# Altium PCB 24V-12V_5X4.PcbDoc (part 1 of 4)
Units mm, origin at the board's own origin, x right, y up, seen from the top; angles counter-clockwise.
Board outline 50.6 x 38 mm, 2 copper layers (Top Layer, Bottom Layer); 700 components, 0 nets, 2336 pads, 480 vias.
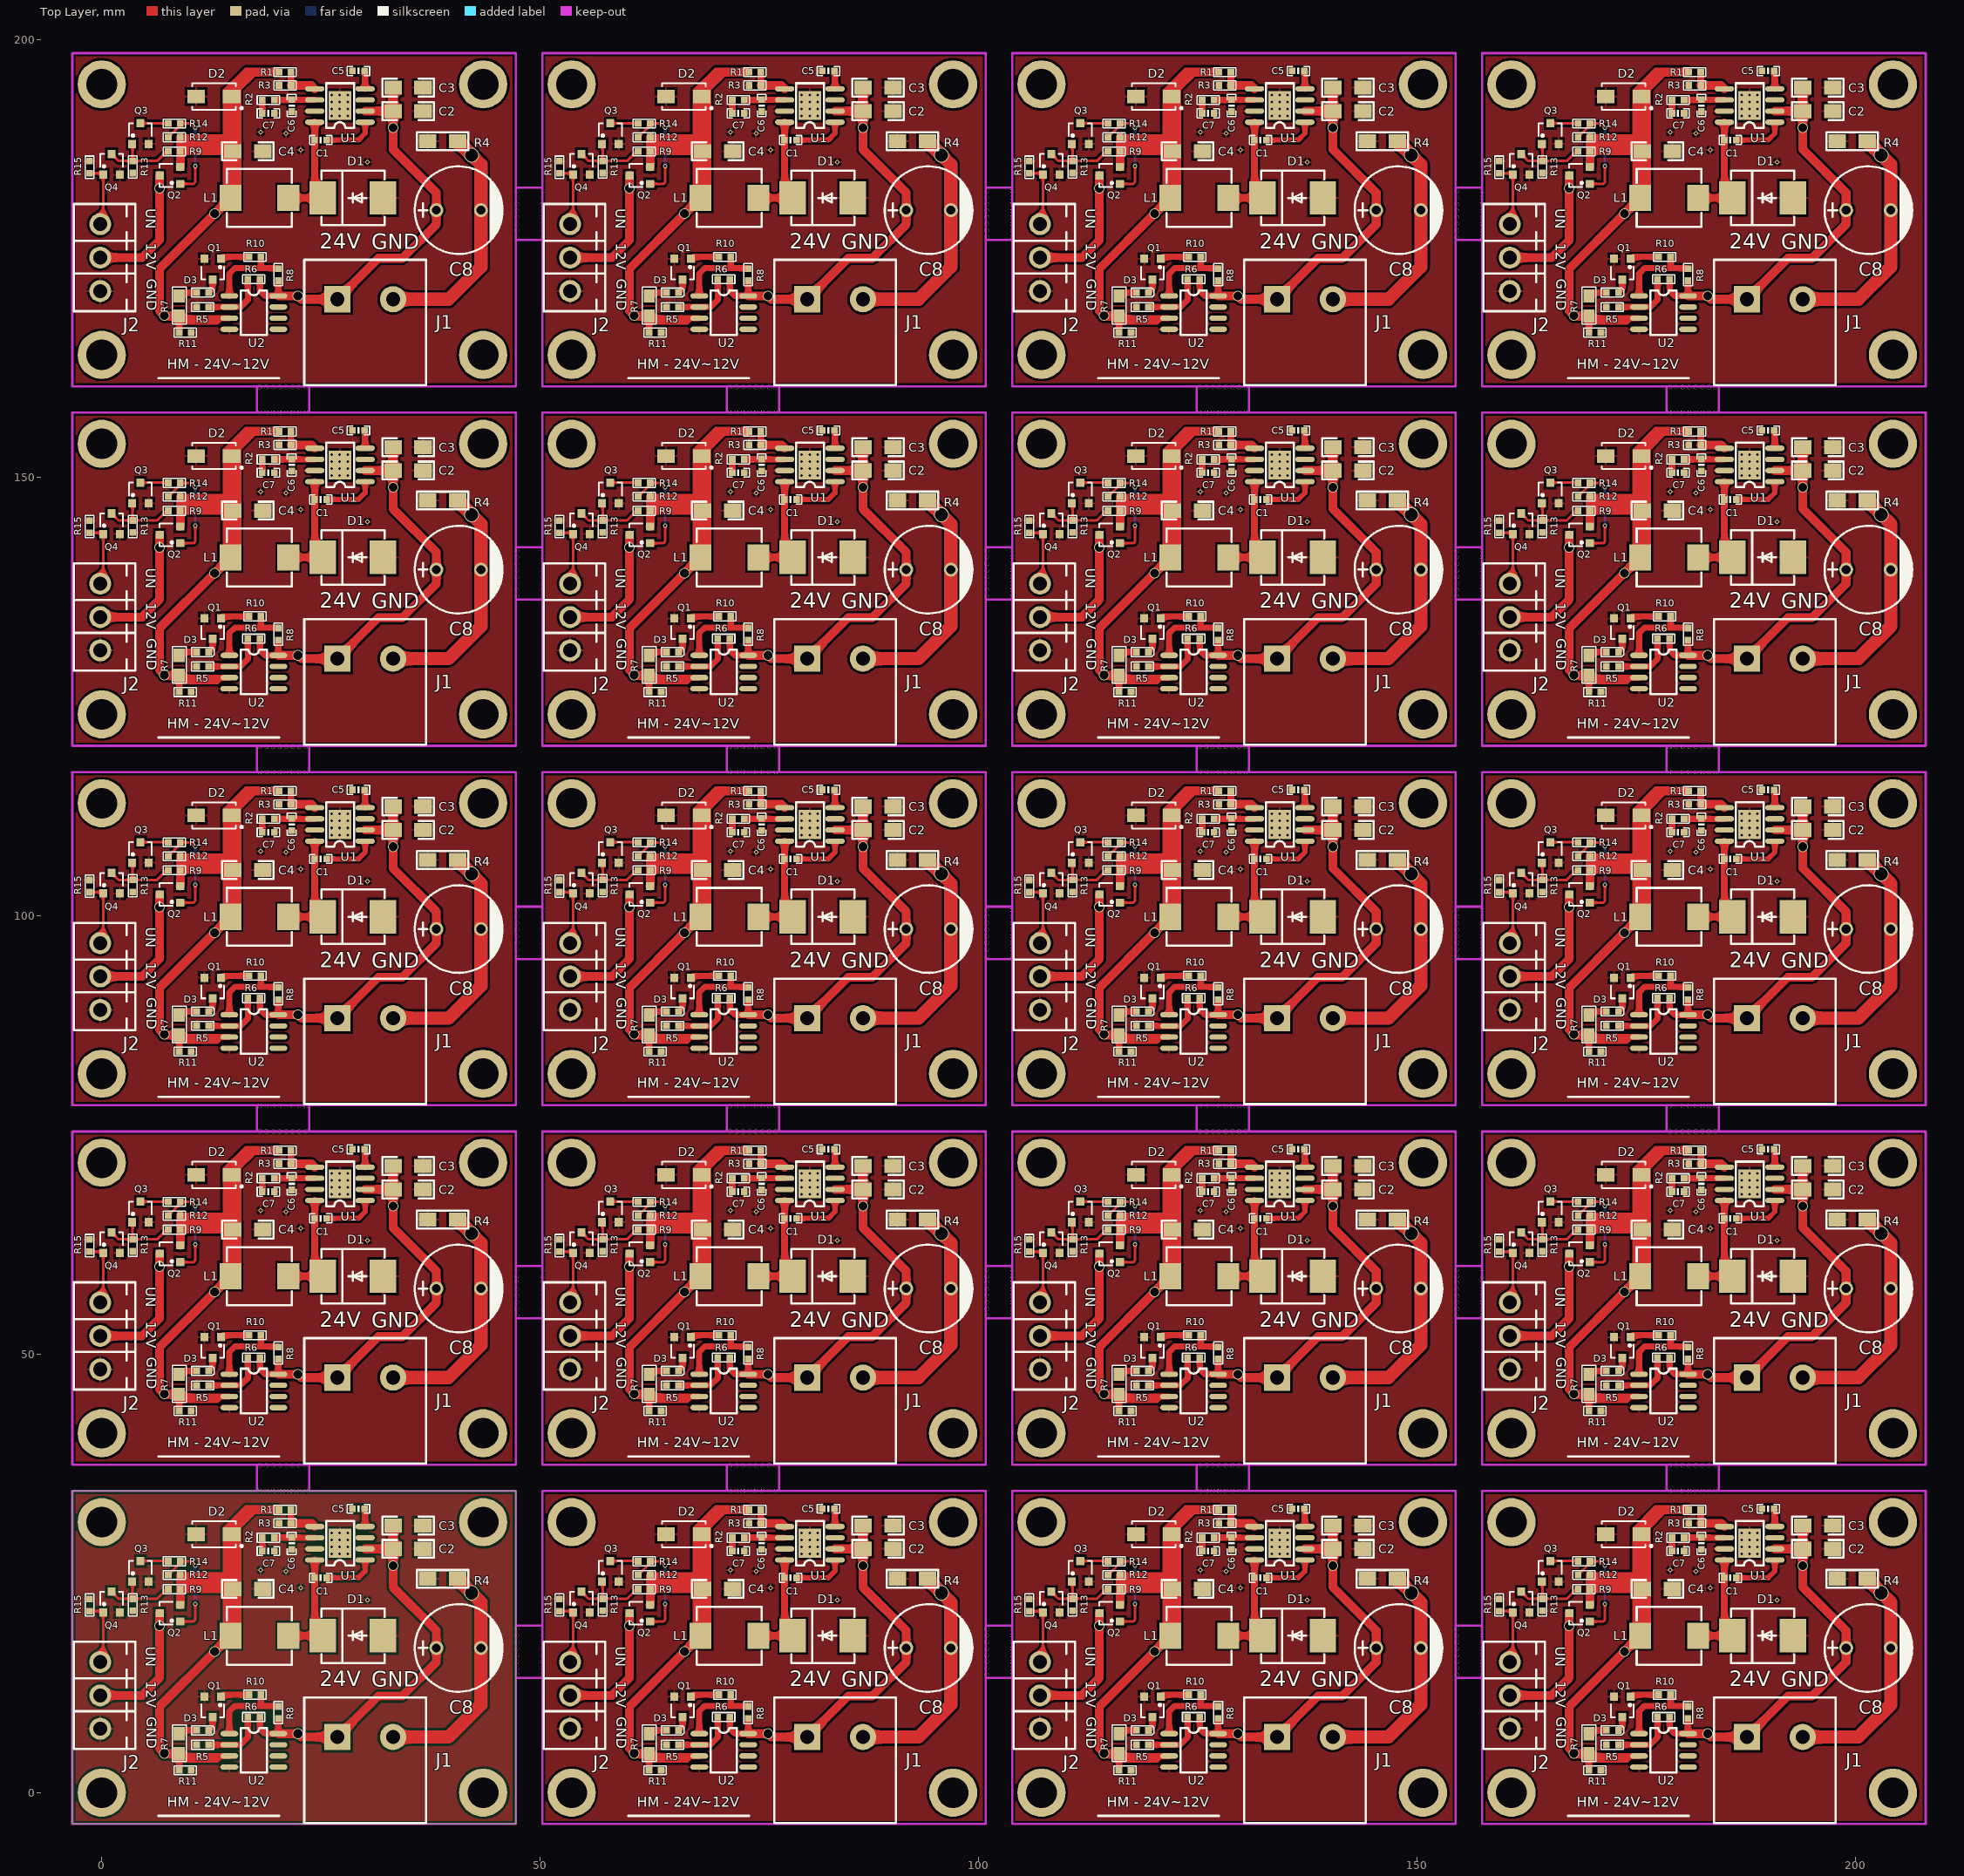
[diagram p0: Top Layer view]
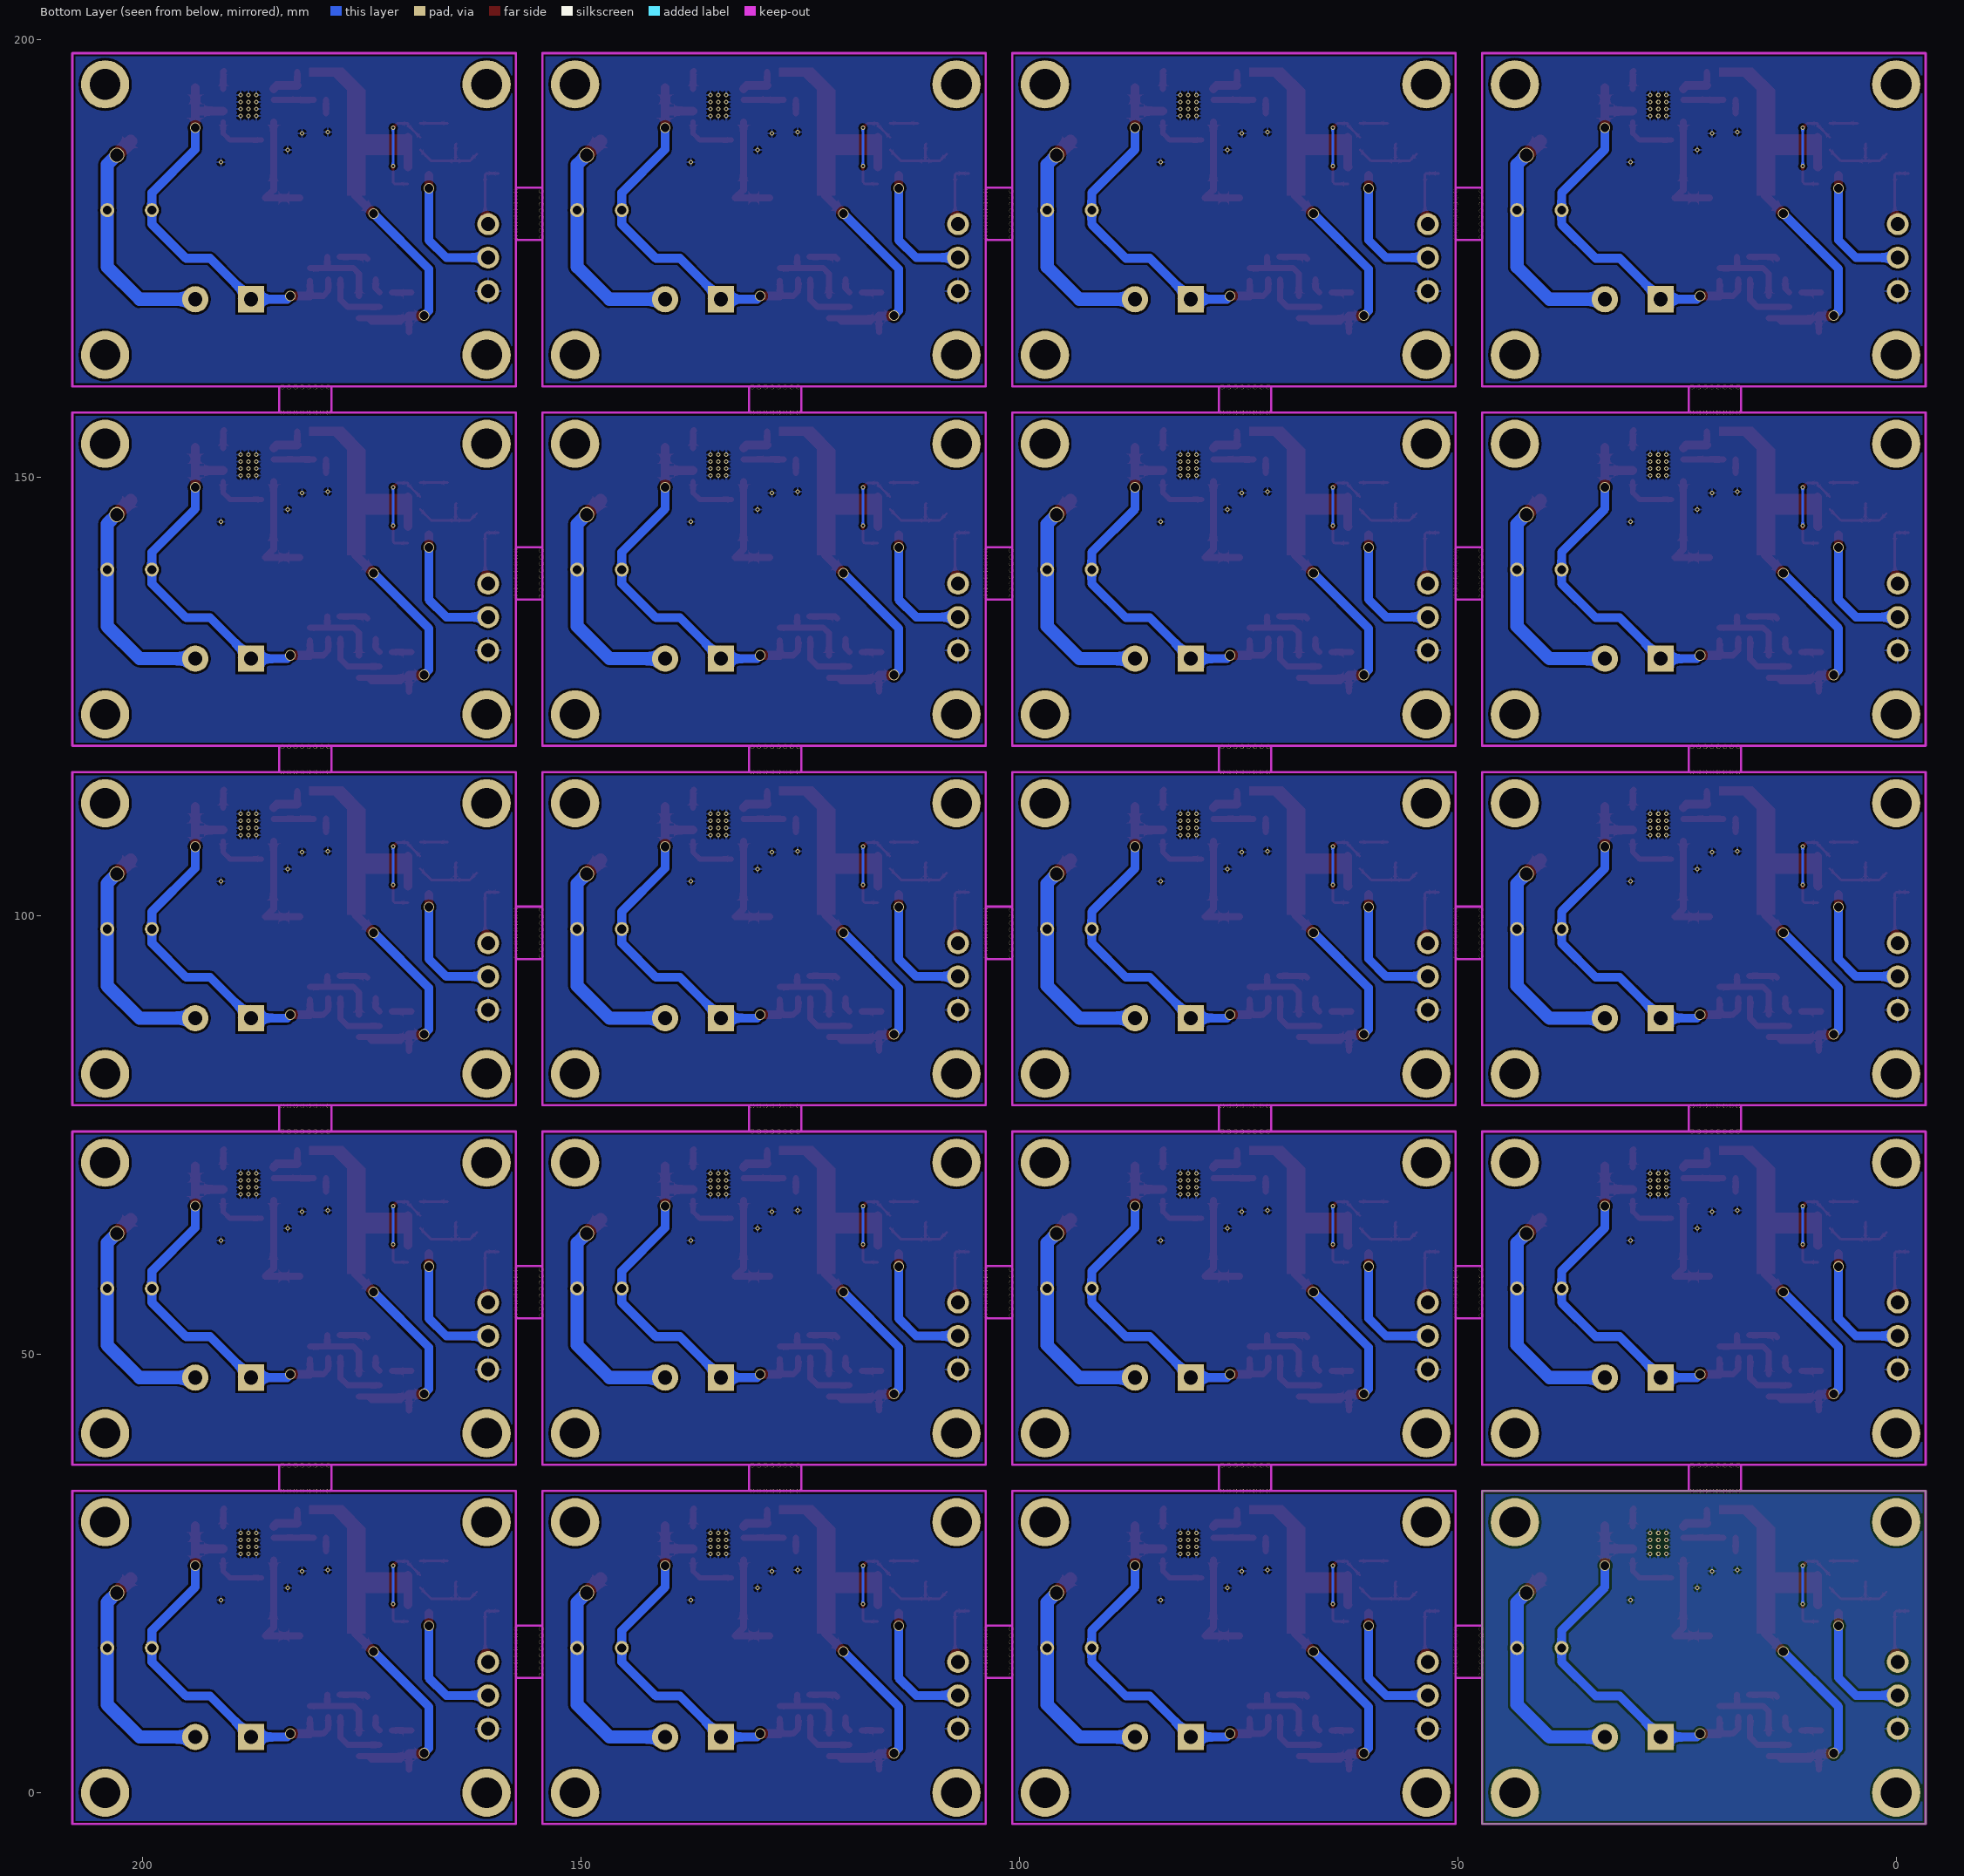
[diagram p1: Bottom Layer view, seen from below]

## Layer stack, top to bottom
Top Solder: solder mask 0.0102, Solder Resist, Dk 3.5
Top Layer: signal copper 0.0356
Dielectric 1: dielectric 0.32, FR-4, Dk 4.8
Bottom Layer: signal copper 0.0356
Bottom Solder: solder mask 0.0102, Solder Resist, Dk 3.5

## Board outline
-3.353,-3.583 -3.353,34.417 47.247,34.417 47.247,-3.583

## Design rules (kind name [scope] priority, off if disabled: settings)
Clearance [All] p1: gap=0.254
PolygonConnect [All] p1: connectstyle=Relief reliefconductorwidth=0.254 reliefentries=4 polygonreliefangle="90 Angle" airgapwidth=0.254
RoutingVias [All] p1: holewidth=0.711 width=1.27 viastyle="Through Hole" minholewidth=0.711 minwidth=1.27 maxholewidth=0.711 maxwidth=1.27
SolderMaskExpansion [All] p1: expansion=0.102
Width [All] p1: maxlimit=0.254 minlimit=0.254 preferedwidth=0.254
30 further rules are at their usual default settings.

## Components (designator, comment, footprint, x,y, rotation, side; value= is the part's Value field where it differs from the comment)
C1 "100NF/50V" 0603_C 24.968,24.511 r180 top
C1 "100NF/50V" 0603_C 78.568,24.511 r180 top
C1 "100NF/50V" 0603_C 132.168,24.511 r180 top
C1 "100NF/50V" 0603_C 185.768,24.511 r180 top
C1 "100NF/50V" 0603_C 24.968,65.511 r180 top
C1 "100NF/50V" 0603_C 78.568,65.511 r180 top
C1 "100NF/50V" 0603_C 132.168,65.511 r180 top
C1 "100NF/50V" 0603_C 185.768,65.511 r180 top
C1 "100NF/50V" 0603_C 24.968,106.511 r180 top
C1 "100NF/50V" 0603_C 78.568,106.511 r180 top
C1 "100NF/50V" 0603_C 132.168,106.511 r180 top
C1 "100NF/50V" 0603_C 185.768,106.511 r180 top
C1 "100NF/50V" 0603_C 24.968,147.511 r180 top
C1 "100NF/50V" 0603_C 78.568,147.511 r180 top
C1 "100NF/50V" 0603_C 132.168,147.511 r180 top
C1 "100NF/50V" 0603_C 185.768,147.511 r180 top
C1 "100NF/50V" 0603_C 24.968,188.511 r180 top
C1 "100NF/50V" 0603_C 78.568,188.511 r180 top
C1 "100NF/50V" 0603_C 132.168,188.511 r180 top
C1 "100NF/50V" 0603_C 185.768,188.511 r180 top
C2 "10UF/50V" 1206_C 36.652,27.813 r180 top
C2 "10UF/50V" 1206_C 90.252,27.813 r180 top
C2 "10UF/50V" 1206_C 143.852,27.813 r180 top
C2 "10UF/50V" 1206_C 197.452,27.813 r180 top
C2 "10UF/50V" 1206_C 36.652,68.813 r180 top
C2 "10UF/50V" 1206_C 90.252,68.813 r180 top
C2 "10UF/50V" 1206_C 143.852,68.813 r180 top
C2 "10UF/50V" 1206_C 197.452,68.813 r180 top
C2 "10UF/50V" 1206_C 36.652,109.813 r180 top
C2 "10UF/50V" 1206_C 90.252,109.813 r180 top
C2 "10UF/50V" 1206_C 143.852,109.813 r180 top
C2 "10UF/50V" 1206_C 197.452,109.813 r180 top
C2 "10UF/50V" 1206_C 36.652,150.813 r180 top
C2 "10UF/50V" 1206_C 90.252,150.813 r180 top
C2 "10UF/50V" 1206_C 143.852,150.813 r180 top
C2 "10UF/50V" 1206_C 197.452,150.813 r180 top
C2 "10UF/50V" 1206_C 36.652,191.813 r180 top
C2 "10UF/50V" 1206_C 90.252,191.813 r180 top
C2 "10UF/50V" 1206_C 143.852,191.813 r180 top
C2 "10UF/50V" 1206_C 197.452,191.813 r180 top
C3 "10UF/50V" 1206_C 36.652,30.48 r180 top
C3 "10UF/50V" 1206_C 90.252,30.48 r180 top
C3 "10UF/50V" 1206_C 143.852,30.48 r180 top
C3 "10UF/50V" 1206_C 197.452,30.48 r180 top
C3 "10UF/50V" 1206_C 36.652,71.48 r180 top
C3 "10UF/50V" 1206_C 90.252,71.48 r180 top
C3 "10UF/50V" 1206_C 143.852,71.48 r180 top
C3 "10UF/50V" 1206_C 197.452,71.48 r180 top
C3 "10UF/50V" 1206_C 36.652,112.48 r180 top
C3 "10UF/50V" 1206_C 90.252,112.48 r180 top
C3 "10UF/50V" 1206_C 143.852,112.48 r180 top
C3 "10UF/50V" 1206_C 197.452,112.48 r180 top
C3 "10UF/50V" 1206_C 36.652,153.48 r180 top
C3 "10UF/50V" 1206_C 90.252,153.48 r180 top
C3 "10UF/50V" 1206_C 143.852,153.48 r180 top
C3 "10UF/50V" 1206_C 197.452,153.48 r180 top
C3 "10UF/50V" 1206_C 36.652,194.48 r180 top
C3 "10UF/50V" 1206_C 90.252,194.48 r180 top
C3 "10UF/50V" 1206_C 143.852,194.48 r180 top
C3 "10UF/50V" 1206_C 197.452,194.48 r180 top
C4 "22UF/25V" 1206_C 18.364,23.241 r180 top
C4 "22UF/25V" 1206_C 71.964,23.241 r180 top
C4 "22UF/25V" 1206_C 125.564,23.241 r180 top
C4 "22UF/25V" 1206_C 179.164,23.241 r180 top
C4 "22UF/25V" 1206_C 18.364,64.241 r180 top
C4 "22UF/25V" 1206_C 71.964,64.241 r180 top
C4 "22UF/25V" 1206_C 125.564,64.241 r180 top
C4 "22UF/25V" 1206_C 179.164,64.241 r180 top
C4 "22UF/25V" 1206_C 18.364,105.241 r180 top
C4 "22UF/25V" 1206_C 71.964,105.241 r180 top
C4 "22UF/25V" 1206_C 125.564,105.241 r180 top
C4 "22UF/25V" 1206_C 179.164,105.241 r180 top
C4 "22UF/25V" 1206_C 18.364,146.241 r180 top
C4 "22UF/25V" 1206_C 71.964,146.241 r180 top
C4 "22UF/25V" 1206_C 125.564,146.241 r180 top
C4 "22UF/25V" 1206_C 179.164,146.241 r180 top
C4 "22UF/25V" 1206_C 18.364,187.241 r180 top
C4 "22UF/25V" 1206_C 71.964,187.241 r180 top
C4 "22UF/25V" 1206_C 125.564,187.241 r180 top
C4 "22UF/25V" 1206_C 179.164,187.241 r180 top
C5 "8.2NF/50V" 0603_C 29.286,32.385 r180 top
C5 "8.2NF/50V" 0603_C 82.886,32.385 r180 top
C5 "8.2NF/50V" 0603_C 136.486,32.385 r180 top
C5 "8.2NF/50V" 0603_C 190.086,32.385 r180 top
C5 "8.2NF/50V" 0603_C 29.286,73.385 r180 top
C5 "8.2NF/50V" 0603_C 82.886,73.385 r180 top
C5 "8.2NF/50V" 0603_C 136.486,73.385 r180 top
C5 "8.2NF/50V" 0603_C 190.086,73.385 r180 top
C5 "8.2NF/50V" 0603_C 29.286,114.385 r180 top
C5 "8.2NF/50V" 0603_C 82.886,114.385 r180 top
C5 "8.2NF/50V" 0603_C 136.486,114.385 r180 top
C5 "8.2NF/50V" 0603_C 190.086,114.385 r180 top
C5 "8.2NF/50V" 0603_C 29.286,155.385 r180 top
C5 "8.2NF/50V" 0603_C 82.886,155.385 r180 top
C5 "8.2NF/50V" 0603_C 136.486,155.385 r180 top
C5 "8.2NF/50V" 0603_C 190.086,155.385 r180 top
C5 "8.2NF/50V" 0603_C 29.286,196.385 r180 top
C5 "8.2NF/50V" 0603_C 82.886,196.385 r180 top
C5 "8.2NF/50V" 0603_C 136.486,196.385 r180 top
C5 "8.2NF/50V" 0603_C 190.086,196.385 r180 top
C6 "10PF/50V" 0603_C 21.666,28.448 r270 top
C6 "10PF/50V" 0603_C 75.266,28.448 r270 top
C6 "10PF/50V" 0603_C 128.866,28.448 r270 top
C6 "10PF/50V" 0603_C 182.466,28.448 r270 top
C6 "10PF/50V" 0603_C 21.666,69.448 r270 top
C6 "10PF/50V" 0603_C 75.266,69.448 r270 top
C6 "10PF/50V" 0603_C 128.866,69.448 r270 top
C6 "10PF/50V" 0603_C 182.466,69.448 r270 top
C6 "10PF/50V" 0603_C 21.666,110.448 r270 top
C6 "10PF/50V" 0603_C 75.266,110.448 r270 top
C6 "10PF/50V" 0603_C 128.866,110.448 r270 top
C6 "10PF/50V" 0603_C 182.466,110.448 r270 top
C6 "10PF/50V" 0603_C 21.666,151.448 r270 top
C6 "10PF/50V" 0603_C 75.266,151.448 r270 top
C6 "10PF/50V" 0603_C 128.866,151.448 r270 top
C6 "10PF/50V" 0603_C 182.466,151.448 r270 top
C6 "10PF/50V" 0603_C 21.666,192.448 r270 top
C6 "10PF/50V" 0603_C 75.266,192.448 r270 top
C6 "10PF/50V" 0603_C 128.866,192.448 r270 top
C6 "10PF/50V" 0603_C 182.466,192.448 r270 top
C7 "1NF/50V" 0603_C 18.999,27.559 r0 top
C7 "1NF/50V" 0603_C 72.599,27.559 r0 top
C7 "1NF/50V" 0603_C 126.199,27.559 r0 top
C7 "1NF/50V" 0603_C 179.799,27.559 r0 top
C7 "1NF/50V" 0603_C 18.999,68.559 r0 top
C7 "1NF/50V" 0603_C 72.599,68.559 r0 top
C7 "1NF/50V" 0603_C 126.199,68.559 r0 top
C7 "1NF/50V" 0603_C 179.799,68.559 r0 top
C7 "1NF/50V" 0603_C 18.999,109.559 r0 top
C7 "1NF/50V" 0603_C 72.599,109.559 r0 top
C7 "1NF/50V" 0603_C 126.199,109.559 r0 top
C7 "1NF/50V" 0603_C 179.799,109.559 r0 top
C7 "1NF/50V" 0603_C 18.999,150.559 r0 top
C7 "1NF/50V" 0603_C 72.599,150.559 r0 top
C7 "1NF/50V" 0603_C 126.199,150.559 r0 top
C7 "1NF/50V" 0603_C 179.799,150.559 r0 top
C7 "1NF/50V" 0603_C 18.999,191.559 r0 top
C7 "1NF/50V" 0603_C 72.599,191.559 r0 top
C7 "1NF/50V" 0603_C 126.199,191.559 r0 top
C7 "1NF/50V" 0603_C 179.799,191.559 r0 top
C8 "470UF/35V" EC-DIP_BD10.0-P5.00-D1.0-FD 40.716,16.51 r0 top
C8 "470UF/35V" EC-DIP_BD10.0-P5.00-D1.0-FD 94.316,16.51 r0 top
C8 "470UF/35V" EC-DIP_BD10.0-P5.00-D1.0-FD 147.916,16.51 r0 top
C8 "470UF/35V" EC-DIP_BD10.0-P5.00-D1.0-FD 201.516,16.51 r0 top
C8 "470UF/35V" EC-DIP_BD10.0-P5.00-D1.0-FD 40.716,57.51 r0 top
C8 "470UF/35V" EC-DIP_BD10.0-P5.00-D1.0-FD 94.316,57.51 r0 top
C8 "470UF/35V" EC-DIP_BD10.0-P5.00-D1.0-FD 147.916,57.51 r0 top
C8 "470UF/35V" EC-DIP_BD10.0-P5.00-D1.0-FD 201.516,57.51 r0 top
C8 "470UF/35V" EC-DIP_BD10.0-P5.00-D1.0-FD 40.716,98.51 r0 top
C8 "470UF/35V" EC-DIP_BD10.0-P5.00-D1.0-FD 94.316,98.51 r0 top
C8 "470UF/35V" EC-DIP_BD10.0-P5.00-D1.0-FD 147.916,98.51 r0 top
C8 "470UF/35V" EC-DIP_BD10.0-P5.00-D1.0-FD 201.516,98.51 r0 top
C8 "470UF/35V" EC-DIP_BD10.0-P5.00-D1.0-FD 40.716,139.51 r0 top
C8 "470UF/35V" EC-DIP_BD10.0-P5.00-D1.0-FD 94.316,139.51 r0 top
C8 "470UF/35V" EC-DIP_BD10.0-P5.00-D1.0-FD 147.916,139.51 r0 top
C8 "470UF/35V" EC-DIP_BD10.0-P5.00-D1.0-FD 201.516,139.51 r0 top
C8 "470UF/35V" EC-DIP_BD10.0-P5.00-D1.0-FD 40.716,180.51 r0 top
C8 "470UF/35V" EC-DIP_BD10.0-P5.00-D1.0-FD 94.316,180.51 r0 top
C8 "470UF/35V" EC-DIP_BD10.0-P5.00-D1.0-FD 147.916,180.51 r0 top
C8 "470UF/35V" EC-DIP_BD10.0-P5.00-D1.0-FD 201.516,180.51 r0 top
D1 "SK104" SMC/DO214AB 28.651,17.907 r180 top
D1 "SK104" SMC/DO214AB 82.251,17.907 r180 top
D1 "SK104" SMC/DO214AB 135.851,17.907 r180 top
D1 "SK104" SMC/DO214AB 189.451,17.907 r180 top
D1 "SK104" SMC/DO214AB 28.651,58.907 r180 top
D1 "SK104" SMC/DO214AB 82.251,58.907 r180 top
D1 "SK104" SMC/DO214AB 135.851,58.907 r180 top
D1 "SK104" SMC/DO214AB 189.451,58.907 r180 top
D1 "SK104" SMC/DO214AB 28.651,99.907 r180 top
D1 "SK104" SMC/DO214AB 82.251,99.907 r180 top
D1 "SK104" SMC/DO214AB 135.851,99.907 r180 top
D1 "SK104" SMC/DO214AB 189.451,99.907 r180 top
D1 "SK104" SMC/DO214AB 28.651,140.907 r180 top
D1 "SK104" SMC/DO214AB 82.251,140.907 r180 top
D1 "SK104" SMC/DO214AB 135.851,140.907 r180 top
D1 "SK104" SMC/DO214AB 189.451,140.907 r180 top
D1 "SK104" SMC/DO214AB 28.651,181.907 r180 top
D1 "SK104" SMC/DO214AB 82.251,181.907 r180 top
D1 "SK104" SMC/DO214AB 135.851,181.907 r180 top
D1 "SK104" SMC/DO214AB 189.451,181.907 r180 top
D2 "SMAJ12A" SMA/DO214AC 12.497,28.372 r0 top
D2 "SMAJ12A" SMA/DO214AC 66.097,28.372 r0 top
D2 "SMAJ12A" SMA/DO214AC 119.697,28.372 r0 top
D2 "SMAJ12A" SMA/DO214AC 173.297,28.372 r0 top
D2 "SMAJ12A" SMA/DO214AC 12.497,69.372 r0 top
D2 "SMAJ12A" SMA/DO214AC 66.097,69.372 r0 top
D2 "SMAJ12A" SMA/DO214AC 119.697,69.372 r0 top
D2 "SMAJ12A" SMA/DO214AC 173.297,69.372 r0 top
D2 "SMAJ12A" SMA/DO214AC 12.497,110.372 r0 top
D2 "SMAJ12A" SMA/DO214AC 66.097,110.372 r0 top
D2 "SMAJ12A" SMA/DO214AC 119.697,110.372 r0 top
D2 "SMAJ12A" SMA/DO214AC 173.297,110.372 r0 top
D2 "SMAJ12A" SMA/DO214AC 12.497,151.372 r0 top
D2 "SMAJ12A" SMA/DO214AC 66.097,151.372 r0 top
D2 "SMAJ12A" SMA/DO214AC 119.697,151.372 r0 top
D2 "SMAJ12A" SMA/DO214AC 173.297,151.372 r0 top
D2 "SMAJ12A" SMA/DO214AC 12.497,192.372 r0 top
D2 "SMAJ12A" SMA/DO214AC 66.097,192.372 r0 top
D2 "SMAJ12A" SMA/DO214AC 119.697,192.372 r0 top
D2 "SMAJ12A" SMA/DO214AC 173.297,192.372 r0 top
D3 "LED红" 0603_D 11.506,7.112 r0 top
D3 "LED红" 0603_D 65.106,7.112 r0 top
D3 "LED红" 0603_D 118.706,7.112 r0 top
D3 "LED红" 0603_D 172.306,7.112 r0 top
D3 "LED红" 0603_D 11.506,48.112 r0 top
D3 "LED红" 0603_D 65.106,48.112 r0 top
D3 "LED红" 0603_D 118.706,48.112 r0 top
D3 "LED红" 0603_D 172.306,48.112 r0 top
D3 "LED红" 0603_D 11.506,89.112 r0 top
D3 "LED红" 0603_D 65.106,89.112 r0 top
D3 "LED红" 0603_D 118.706,89.112 r0 top
D3 "LED红" 0603_D 172.306,89.112 r0 top
D3 "LED红" 0603_D 11.506,130.112 r0 top
D3 "LED红" 0603_D 65.106,130.112 r0 top
D3 "LED红" 0603_D 118.706,130.112 r0 top
D3 "LED红" 0603_D 172.306,130.112 r0 top
D3 "LED红" 0603_D 11.506,171.112 r0 top
D3 "LED红" 0603_D 65.106,171.112 r0 top
D3 "LED红" 0603_D 118.706,171.112 r0 top
D3 "LED红" 0603_D 172.306,171.112 r0 top
J1 "SIP-2" HB611-6.35-2P 30.048,6.35 r0 top
J1 "SIP-2" HB611-6.35-2P 83.648,6.35 r0 top
J1 "SIP-2" HB611-6.35-2P 137.248,6.35 r0 top
J1 "SIP-2" HB611-6.35-2P 190.848,6.35 r0 top
J1 "SIP-2" HB611-6.35-2P 30.048,47.35 r0 top
J1 "SIP-2" HB611-6.35-2P 83.648,47.35 r0 top
J1 "SIP-2" HB611-6.35-2P 137.248,47.35 r0 top
J1 "SIP-2" HB611-6.35-2P 190.848,47.35 r0 top
J1 "SIP-2" HB611-6.35-2P 30.048,88.35 r0 top
J1 "SIP-2" HB611-6.35-2P 83.648,88.35 r0 top
J1 "SIP-2" HB611-6.35-2P 137.248,88.35 r0 top
J1 "SIP-2" HB611-6.35-2P 190.848,88.35 r0 top
J1 "SIP-2" HB611-6.35-2P 30.048,129.35 r0 top
J1 "SIP-2" HB611-6.35-2P 83.648,129.35 r0 top
J1 "SIP-2" HB611-6.35-2P 137.248,129.35 r0 top
J1 "SIP-2" HB611-6.35-2P 190.848,129.35 r0 top
J1 "SIP-2" HB611-6.35-2P 30.048,170.35 r0 top
J1 "SIP-2" HB611-6.35-2P 83.648,170.35 r0 top
J1 "SIP-2" HB611-6.35-2P 137.248,170.35 r0 top
J1 "SIP-2" HB611-6.35-2P 190.848,170.35 r0 top
J2 "SIP-3" KF2EDGV-3.81-3P -0.178,14.91 r90 top
J2 "SIP-3" KF2EDGV-3.81-3P 53.422,14.91 r90 top
J2 "SIP-3" KF2EDGV-3.81-3P 107.022,14.91 r90 top
J2 "SIP-3" KF2EDGV-3.81-3P 160.622,14.91 r90 top
J2 "SIP-3" KF2EDGV-3.81-3P -0.178,55.91 r90 top
J2 "SIP-3" KF2EDGV-3.81-3P 53.422,55.91 r90 top
J2 "SIP-3" KF2EDGV-3.81-3P 107.022,55.91 r90 top
J2 "SIP-3" KF2EDGV-3.81-3P 160.622,55.91 r90 top
J2 "SIP-3" KF2EDGV-3.81-3P -0.178,96.91 r90 top
J2 "SIP-3" KF2EDGV-3.81-3P 53.422,96.91 r90 top
J2 "SIP-3" KF2EDGV-3.81-3P 107.022,96.91 r90 top
J2 "SIP-3" KF2EDGV-3.81-3P 160.622,96.91 r90 top
J2 "SIP-3" KF2EDGV-3.81-3P -0.178,137.91 r90 top
J2 "SIP-3" KF2EDGV-3.81-3P 53.422,137.91 r90 top
J2 "SIP-3" KF2EDGV-3.81-3P 107.022,137.91 r90 top
J2 "SIP-3" KF2EDGV-3.81-3P 160.622,137.91 r90 top
J2 "SIP-3" KF2EDGV-3.81-3P -0.178,178.91 r90 top
J2 "SIP-3" KF2EDGV-3.81-3P 53.422,178.91 r90 top
J2 "SIP-3" KF2EDGV-3.81-3P 107.022,178.91 r90 top
J2 "SIP-3" KF2EDGV-3.81-3P 160.622,178.91 r90 top
L1 "12UH/3A" IND-SMD_0630 17.983,17.907 r180 top
L1 "12UH/3A" IND-SMD_0630 71.583,17.907 r180 top
L1 "12UH/3A" IND-SMD_0630 125.183,17.907 r180 top
L1 "12UH/3A" IND-SMD_0630 178.783,17.907 r180 top
L1 "12UH/3A" IND-SMD_0630 17.983,58.907 r180 top
L1 "12UH/3A" IND-SMD_0630 71.583,58.907 r180 top
L1 "12UH/3A" IND-SMD_0630 125.183,58.907 r180 top
L1 "12UH/3A" IND-SMD_0630 178.783,58.907 r180 top
L1 "12UH/3A" IND-SMD_0630 17.983,99.907 r180 top
L1 "12UH/3A" IND-SMD_0630 71.583,99.907 r180 top
L1 "12UH/3A" IND-SMD_0630 125.183,99.907 r180 top
L1 "12UH/3A" IND-SMD_0630 178.783,99.907 r180 top
L1 "12UH/3A" IND-SMD_0630 17.983,140.907 r180 top
L1 "12UH/3A" IND-SMD_0630 71.583,140.907 r180 top
L1 "12UH/3A" IND-SMD_0630 125.183,140.907 r180 top
L1 "12UH/3A" IND-SMD_0630 178.783,140.907 r180 top
L1 "12UH/3A" IND-SMD_0630 17.983,181.907 r180 top
L1 "12UH/3A" IND-SMD_0630 71.583,181.907 r180 top
L1 "12UH/3A" IND-SMD_0630 125.183,181.907 r180 top
L1 "12UH/3A" IND-SMD_0630 178.783,181.907 r180 top
Q1 "BC817-40" SOT-23-3 12.649,9.779 r180 top
Q1 "BC817-40" SOT-23-3 66.249,9.779 r180 top
Q1 "BC817-40" SOT-23-3 119.849,9.779 r180 top
Q1 "BC817-40" SOT-23-3 173.449,9.779 r180 top
Q1 "BC817-40" SOT-23-3 12.649,50.779 r180 top
Q1 "BC817-40" SOT-23-3 66.249,50.779 r180 top
Q1 "BC817-40" SOT-23-3 119.849,50.779 r180 top
Q1 "BC817-40" SOT-23-3 173.449,50.779 r180 top
Q1 "BC817-40" SOT-23-3 12.649,91.779 r180 top
Q1 "BC817-40" SOT-23-3 66.249,91.779 r180 top
Q1 "BC817-40" SOT-23-3 119.849,91.779 r180 top
Q1 "BC817-40" SOT-23-3 173.449,91.779 r180 top
Q1 "BC817-40" SOT-23-3 12.649,132.779 r180 top
Q1 "BC817-40" SOT-23-3 66.249,132.779 r180 top
Q1 "BC817-40" SOT-23-3 119.849,132.779 r180 top
Q1 "BC817-40" SOT-23-3 173.449,132.779 r180 top
Q1 "BC817-40" SOT-23-3 12.649,173.779 r180 top
Q1 "BC817-40" SOT-23-3 66.249,173.779 r180 top
Q1 "BC817-40" SOT-23-3 119.849,173.779 r180 top
Q1 "BC817-40" SOT-23-3 173.449,173.779 r180 top
Q2 "AO3401" SOT-23-3 7.772,20.472 r90 top
Q2 "AO3401" SOT-23-3 61.372,20.472 r90 top
Q2 "AO3401" SOT-23-3 114.972,20.472 r90 top
Q2 "AO3401" SOT-23-3 168.572,20.472 r90 top
Q2 "AO3401" SOT-23-3 7.772,61.472 r90 top
Q2 "AO3401" SOT-23-3 61.372,61.472 r90 top
Q2 "AO3401" SOT-23-3 114.972,61.472 r90 top
Q2 "AO3401" SOT-23-3 168.572,61.472 r90 top
Q2 "AO3401" SOT-23-3 7.772,102.472 r90 top
Q2 "AO3401" SOT-23-3 61.372,102.472 r90 top
Q2 "AO3401" SOT-23-3 114.972,102.472 r90 top
Q2 "AO3401" SOT-23-3 168.572,102.472 r90 top
Q2 "AO3401" SOT-23-3 7.772,143.472 r90 top
Q2 "AO3401" SOT-23-3 61.372,143.472 r90 top
Q2 "AO3401" SOT-23-3 114.972,143.472 r90 top
Q2 "AO3401" SOT-23-3 168.572,143.472 r90 top
Q2 "AO3401" SOT-23-3 7.772,184.472 r90 top
Q2 "AO3401" SOT-23-3 61.372,184.472 r90 top
Q2 "AO3401" SOT-23-3 114.972,184.472 r90 top
Q2 "AO3401" SOT-23-3 168.572,184.472 r90 top
Q3 "AO3400" SOT-23-3 4.42,25.248 r0 top
Q3 "AO3400" SOT-23-3 58.02,25.248 r0 top
Q3 "AO3400" SOT-23-3 111.62,25.248 r0 top
Q3 "AO3400" SOT-23-3 165.22,25.248 r0 top
Q3 "AO3400" SOT-23-3 4.42,66.248 r0 top
Q3 "AO3400" SOT-23-3 58.02,66.248 r0 top
Q3 "AO3400" SOT-23-3 111.62,66.248 r0 top
Q3 "AO3400" SOT-23-3 165.22,66.248 r0 top
Q3 "AO3400" SOT-23-3 4.42,107.248 r0 top
Q3 "AO3400" SOT-23-3 58.02,107.248 r0 top
Q3 "AO3400" SOT-23-3 111.62,107.248 r0 top
Q3 "AO3400" SOT-23-3 165.22,107.248 r0 top
Q3 "AO3400" SOT-23-3 4.42,148.248 r0 top
Q3 "AO3400" SOT-23-3 58.02,148.248 r0 top
Q3 "AO3400" SOT-23-3 111.62,148.248 r0 top
Q3 "AO3400" SOT-23-3 165.22,148.248 r0 top
Q3 "AO3400" SOT-23-3 4.42,189.248 r0 top
Q3 "AO3400" SOT-23-3 58.02,189.248 r0 top
Q3 "AO3400" SOT-23-3 111.62,189.248 r0 top
Q3 "AO3400" SOT-23-3 165.22,189.248 r0 top
Q4 "AO3400" SOT-23-3 1.118,21.742 r0 top
Q4 "AO3400" SOT-23-3 54.718,21.742 r0 top
Q4 "AO3400" SOT-23-3 108.318,21.742 r0 top
Q4 "AO3400" SOT-23-3 161.918,21.742 r0 top
Q4 "AO3400" SOT-23-3 1.118,62.742 r0 top
Q4 "AO3400" SOT-23-3 54.718,62.742 r0 top
Q4 "AO3400" SOT-23-3 108.318,62.742 r0 top
Q4 "AO3400" SOT-23-3 161.918,62.742 r0 top